# Altium PCB imu.PcbDoc
Units mm, origin at the board's own origin, x right, y up, seen from the top; angles counter-clockwise.
Board outline 32.81 x 20.3 mm, 4 copper layers (Top Layer, GND, VCC, Bottom Layer), stack 0.603 mm thick; 48 components, 28 nets, 156 pads, 80 vias.
Unrouted connection lines stored in the file: 1.
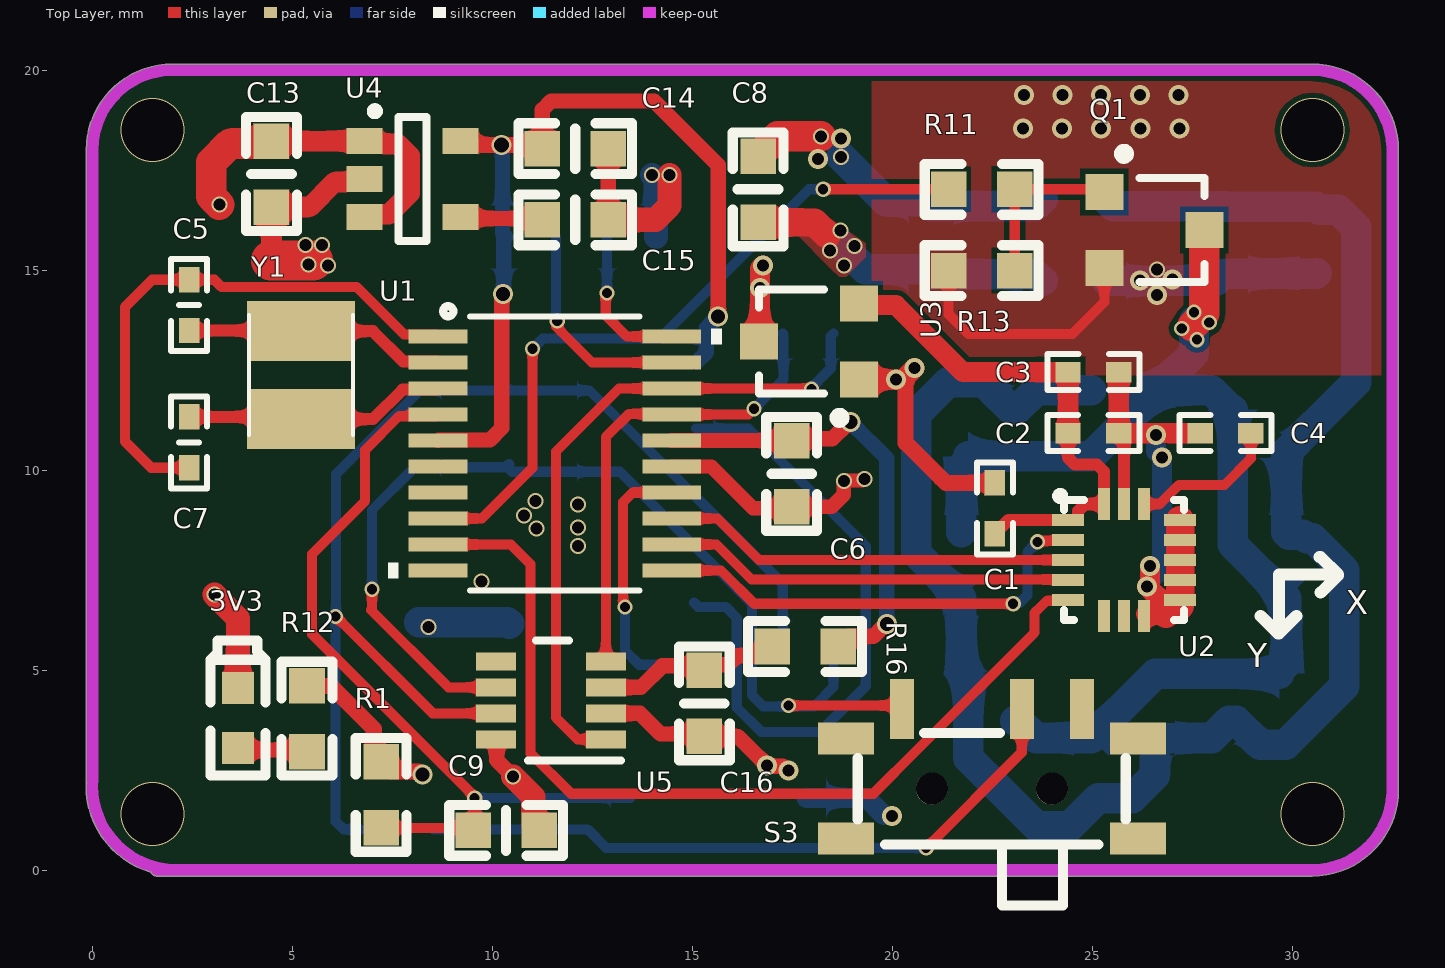
[diagram p0: Top Layer view]
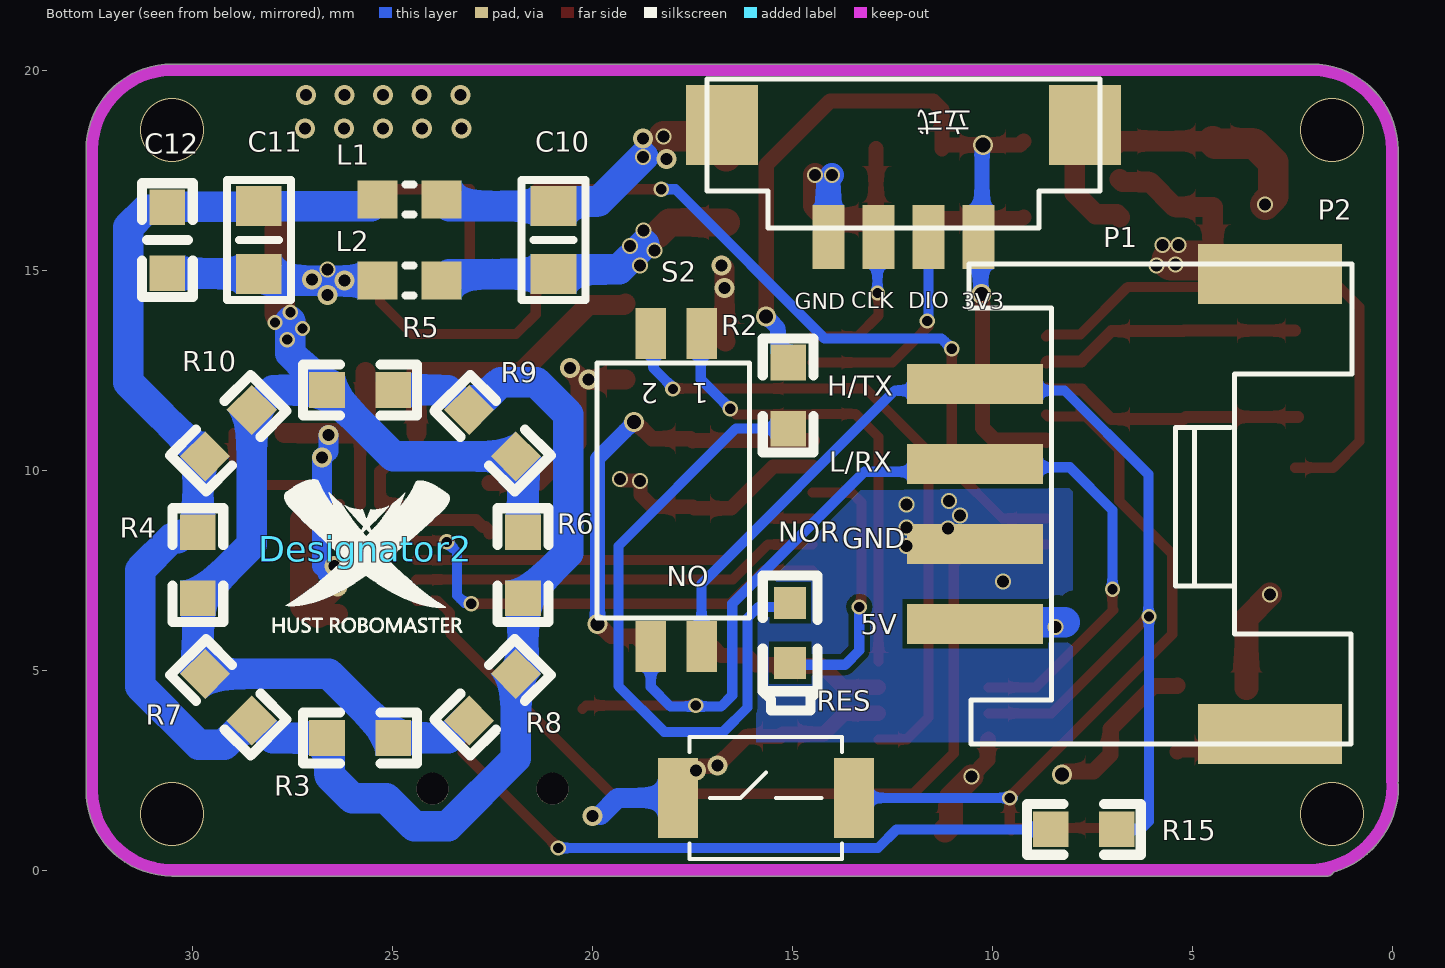
[diagram p1: Bottom Layer view, seen from below]
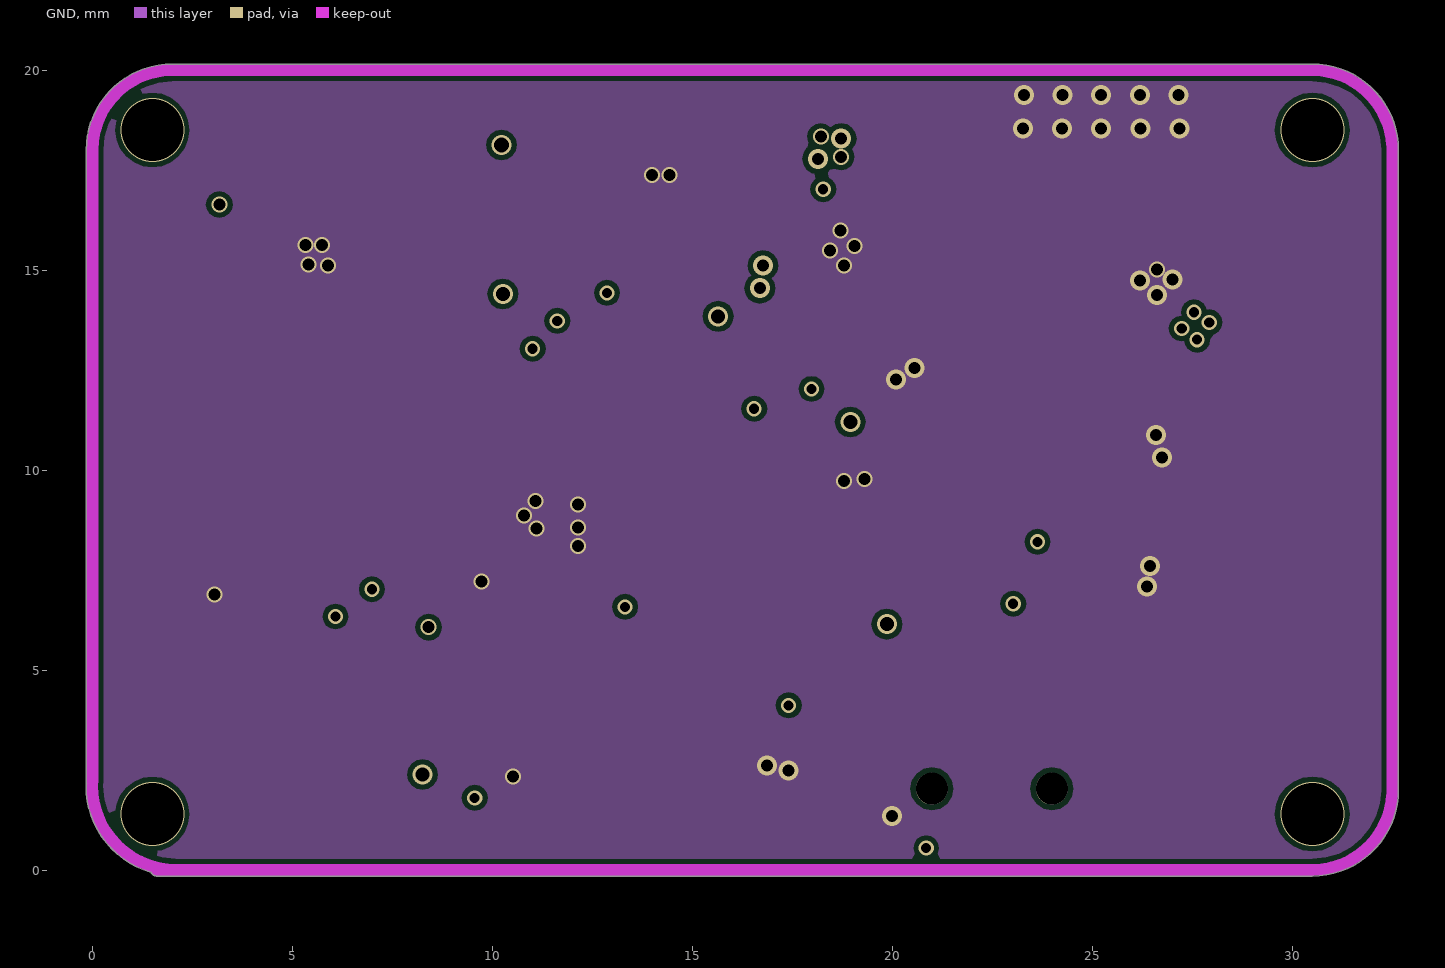
[diagram p2: GND]
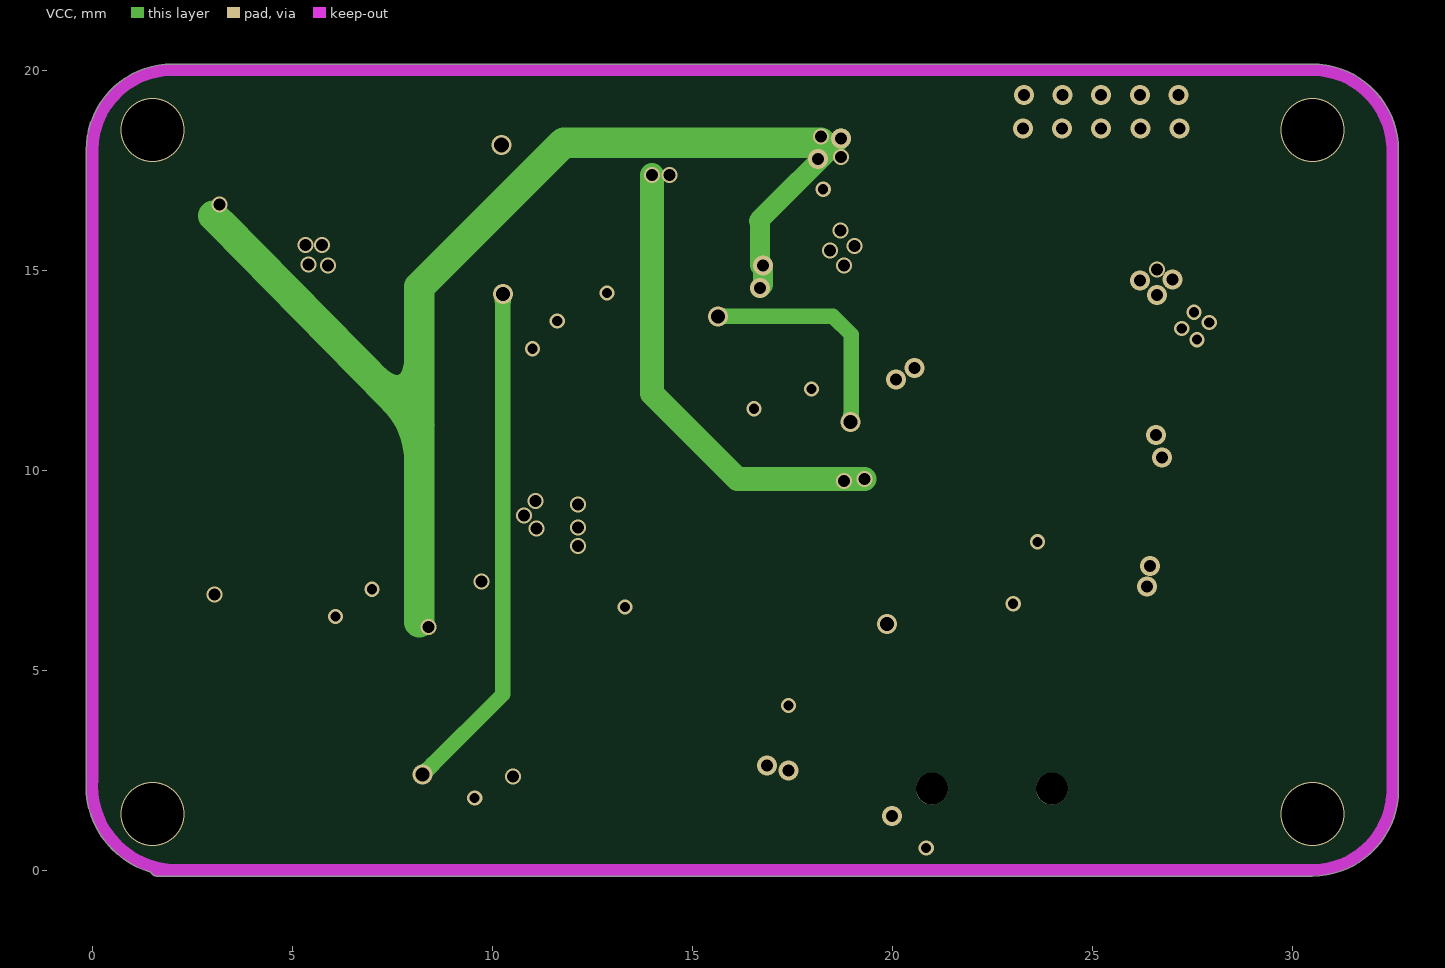
[diagram p3: VCC]
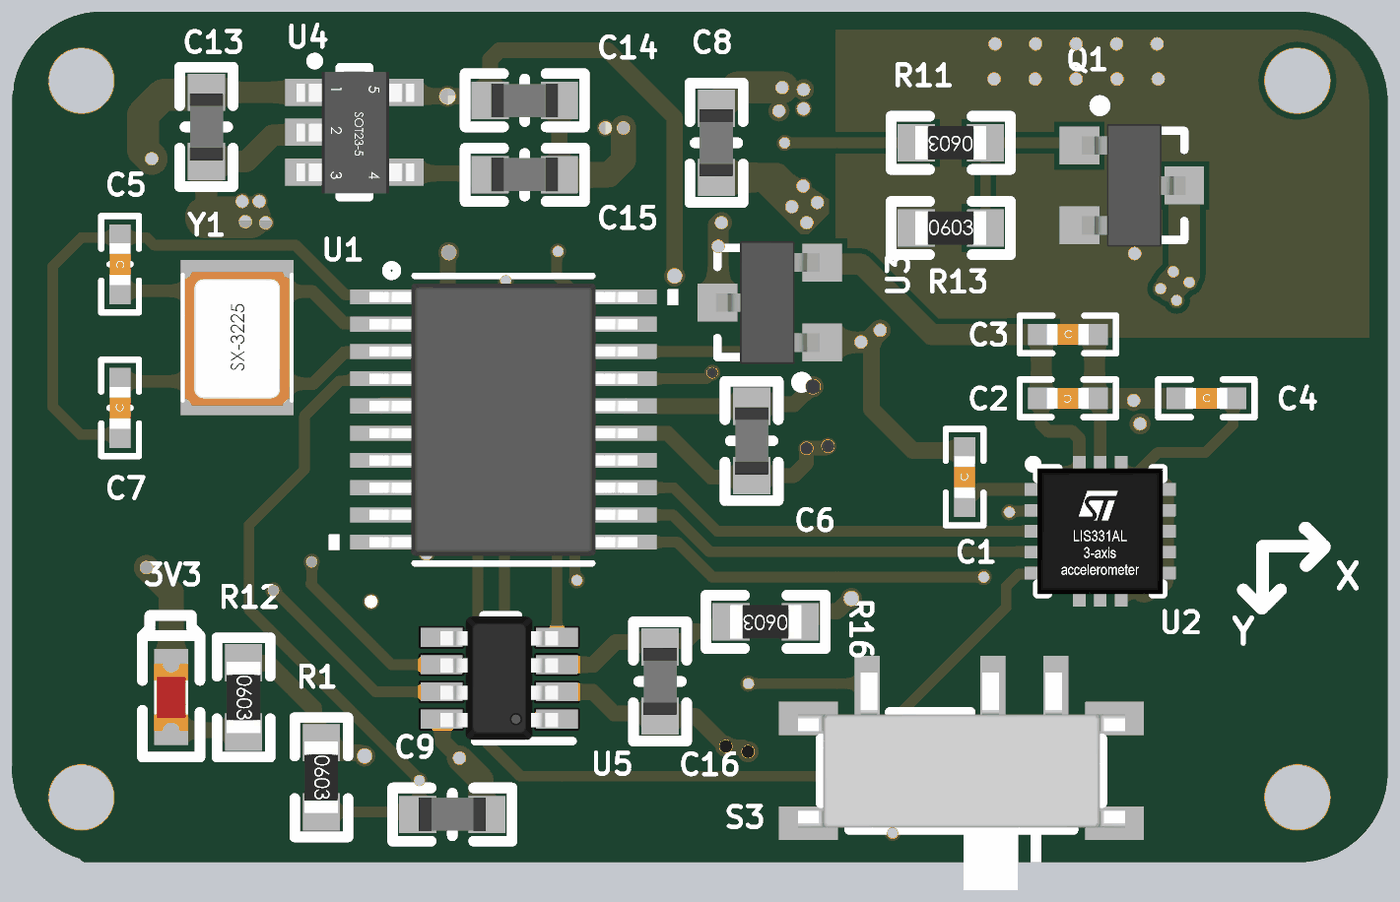
[diagram p4: 3D render of the assembled board from above, using the file's embedded part models]
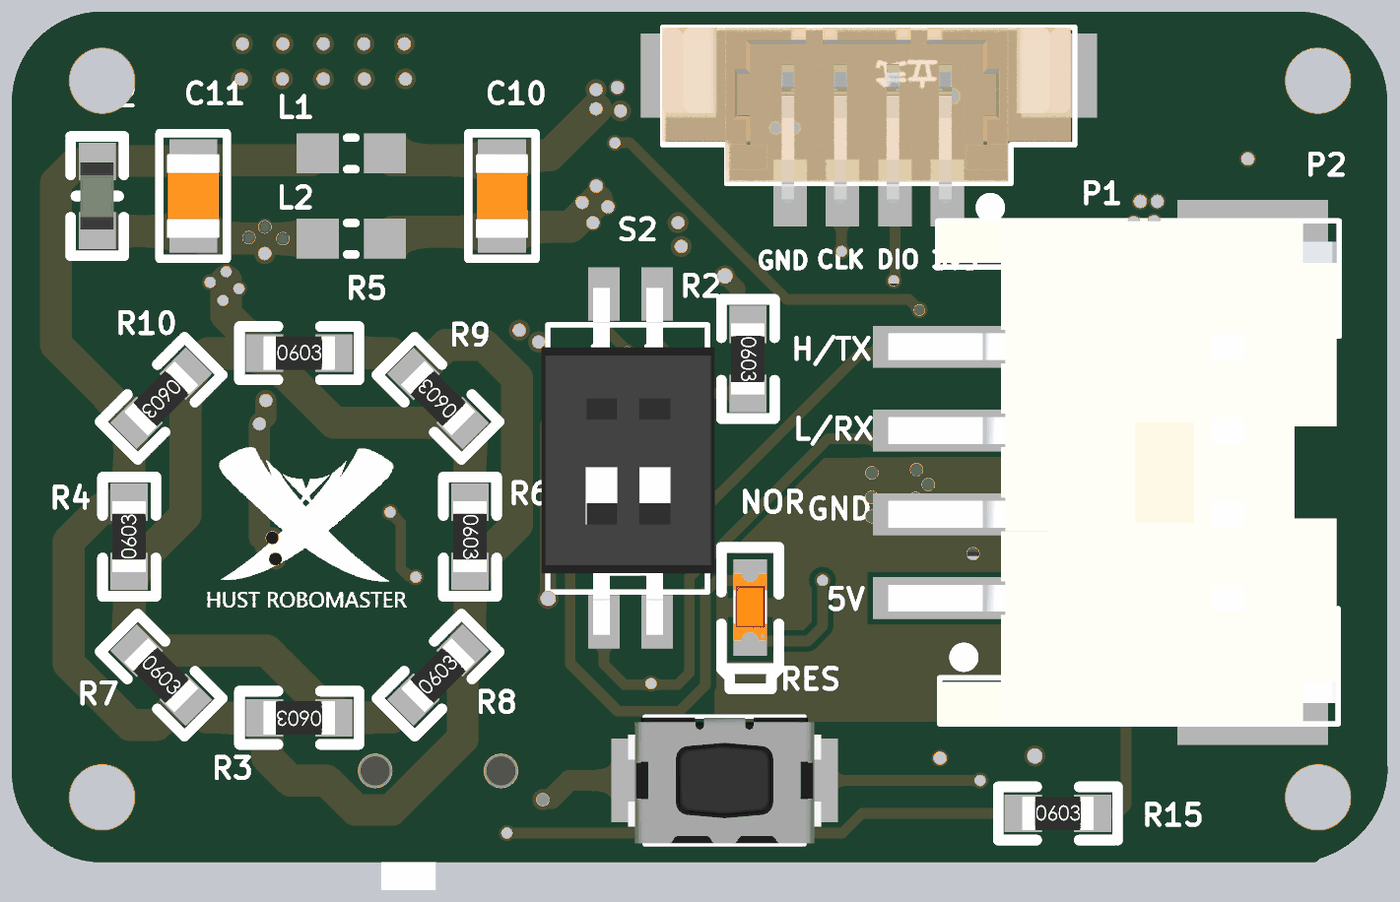
[diagram p5: 3D render of the assembled board from below, using the file's embedded part models]

## Layer stack, top to bottom
Top Solder: solder mask 0.0102, Solder Resist, Dk 3.5
Top Layer: signal copper 0.0356
Dielectric 2: prepreg 0.0711, PP-006, Dk 4.1
GND: signal copper 0.035
Dielectric 1: dielectric 0.32, FR-4, Dk 4.8
VCC: signal copper 0.035
Dielectric 3: prepreg 0.0711, PP-006, Dk 4.1
Bottom Layer: signal copper 0.0356
Bottom Solder: solder mask 0.0102, Solder Resist, Dk 3.5

## Board outline
-0.158,2.108 cw(c-0.008,2.108) -0.144,2.172 cw(c0,2.216) -0.15,2.216 -0.15,18 cw(c2,18) 2,20.15 cw(c2,20) 2.001,20.15 30.5,20.15 cw(c30.5,18) 32.65,18 32.65,2 cw(c30.5,2) 30.5,-0.15 1.608,-0.15 cw(c1.608,0) 1.47,-0.061 cw(c2.1,2.108)

## Design rules (kind name [scope] priority, off if disabled: settings)
Clearance [All] p1: gap=0.127 ignorepadtopadclearanceinfootprint=FALSE
PlaneClearance [All] p1: clearance=0.25
PlaneConnect [All] p1: planeconnectstyle=Direct reliefexpansion=0.508 reliefentries=4 reliefconductorwidth=0.254 reliefairgap=0.254
PolygonConnect [All] p1: connectstyle=Direct reliefconductorwidth=0.254 reliefentries=4 polygonreliefangle="90 Angle" airgapwidth=0.254
RoutingVias [All] p1: holewidth=0.711 width=1.27 viastyle="Through Hole" minholewidth=0.711 minwidth=1.27 maxholewidth=0.711 maxwidth=1.27
SolderMaskExpansion [All] p1: expansion=0.102
Width [All] p1: maxlimit=2.54 minlimit=0.025 preferedwidth=0.254
28 further rules are at their usual default settings.

## Components (designator, comment, footprint, x,y, rotation, side; value= is the part's Value field where it differs from the comment)
3V3 "LED_GREEN" 0603LED_R 3.64,3.048 r90 top (schematic designator LED2)
C1 "100NF" 0402 22.563,9.042 r90 top value=100pF
C2 "100NF" 0402 25.027,10.922 r180 top value=100pF
C3 "2.2UF" 0402 25.027,12.446 r0 top value=100pF
C4 "100NF" 0402 28.329,10.922 r0 top value=100pF
C5 "18pf" 0402C 2.421,14.122 r270 top value=100pF
C6 "100NF" 0603C 17.483,9.906 r90 top value=100pF
C7 "18pf" 0402C 2.421,10.693 r90 top value=100pF
C8 "2.2UF" 0603C 16.645,17.018 r270 top value=100pF
C9 "100NF" 0603C 10.346,0.991 r180 top value=100pF
C10 "22UF" 0805c 20.963,15.748 r270 bottom value=100pF
C11 "22UF" 0805c 28.329,15.748 r270 bottom value=100pF
C12 "100NF" 0603C 30.615,15.748 r270 bottom value=100pF
C13 "4.7UF" 0603C 4.478,17.399 r90 top value=100pF
C14 "4.7UF" 0603C 12.073,18.034 r0 top value=100pF
C15 "10NF" 0603C 12.073,16.256 r180 top value=100pF
C16 "100nf" 0603C 15.299,4.166 r90 top value=100pF
Designator2 "Comment" RM_logo 25.654,8.026 r180 bottom
L1 "0603" 0603 23.757,16.764 r0 bottom value=10mH
L2 "0603" 0603 25.357,14.732 r180 bottom value=10mH
NOR "LED_RED" 0603LED_R 15.045,6.68 r270 bottom (schematic designator LED1)
P1 "SWD" A1.25WF-4P 12.215,15.824 r0 bottom
P2 "CAN_4pin" "HY2.00MM 4X1 SMT" 9.556,9.154 r90 bottom
Q1 "NMOS" SOT-23-3 26.551,16.002 r270 top
R1 "10K" 0603R 7.222,1.88 r270 top value=1K
R2 "560" 0603R 15.096,11.862 r270 bottom value=1K
R3 "200" 0603R 25.8,3.3 r0 bottom value=1K
R4 "200" 0603R 29.853,7.62 r90 bottom value=1K
R5 "200" 0603R 25.8,12 r180 bottom value=1K
R6 "200" 0603R 21.725,7.62 r270 bottom value=1K
R7 "200" 0603R 29.091,4.318 r225 bottom value=1K
R8 "200" 0603R 22.487,4.318 r135 bottom value=1K
R9 "200" 0603R 22.487,10.922 r45 bottom value=1K
R10 "200" 0603R 29.091,10.922 r315 bottom value=1K
R11 "120" 0603R 22.233,17.018 r180 top value=1K
R12 "560" 0603R 5.367,3.785 r270 top value=1K
R13 "10K" 0603R 22.233,14.986 r0 top value=1K
R15 "120" 0603R 7.704,1.016 r180 bottom value=1K
R16 "0" 0603R 17.818,5.588 r180 top value=1K
RES "KEY" "SW 3mmx4mm" 15.654,1.803 r180 bottom (schematic designator S1)
S2 "SW_DIP2" SW_DIP_2x2 17.966,9.5 r0 bottom
S3 "SW_DIP1" MSK-12C01-07 22.487,2.032 r0 top
U1 "STM32F042FxP6" TSSOP20 11.565,10.414 r0 top value=Value
U2 "ICM20602" LGA-16 25.797,7.75 r0 top
U3 "LDO_SOT23-3" SOT-23-3 17.915,13.208 r90 top
U4 "LDO_SOT23-5" "SOT-23-5 L" 8.009,17.272 r0 top
U5 "CAN" SOT-23-8 11.463,4.242 r180 top
Y1 "8MHZ" NX3225GD 5.215,12.37 r90 top

## Footprints (in the part's own frame and the unit in brackets; to place one, negate y for a bottom-side part, rotate by r counter-clockwise, add the part's x,y. Pads: shape width x height; smd on the part's side, far side on the other; paste and mask are expansions set on the pad)
0402 [mil]
  rect 25x20 smd: 1(-25,0) 2(25,0)
  silkscreen extent -45,-18 45,18, body extent -20,-10 20,10, height 19
0402C [mil]
  rect 25x20 smd: 1(-25,0) 2(25,0)
  silkscreen extent -45,-18 45,18, body extent -20,-10 20,10, height 19
0603 [mm] "Chip Resistor, 2-Leads, Body 1.6x0.8mm, IPC Medium Density"
  rect 1x0.95 smd: 1(0,0) 2(1.6,0)
  silkscreen extent 0.7,-0.38 0.9,0.38, body extent -0.03,-0.43 1.63,0.43, height 0.88
0603C [mil] "Chip Resistor, 2-Leads, Body 1.6x0.8mm, IPC Medium Density"
  rect 35x35 smd: 1(-32.5,0) 2(32.5,0)
  silkscreen extent -56,-25 56,25, body extent -31,-16 31,15, height 18
0603LED_R [mm]
  rect 0.8x0.8 smd: 1(0,0) 2(1.5,0)
  silkscreen extent -0.69,-0.69 2.69,0.69, body extent -0.06,-0.4 1.54,0.4, height 0.6
0603R [mil] "10mil˿ӡ"
  rect 35x35 smd: 1(-32.5,0) 2(32.5,0)
  silkscreen extent -56,-25 56,25, body extent -33,-16 33,16, height 22
0805c [mm]
  rect 1x1.14 smd: 1(-0.85,0) 2(0.85,0)
  silkscreen extent -1.5,-0.8 1.5,0.8, body extent -1,-0.62 1,0.63, height 0.8
A1.25WF-4P [mm]
  rect 1.8x2 smd: 0(-4.54,-2.8) 0(4.54,-2.8)
  round 0.7 on Bottom Overlay: 0(-2.9,0.35)
  rect 0.8x1.6 smd: 1(-1.875,0) 2(-0.625,0) 3(0.625,0) 4(1.875,0)
  silkscreen extent -4.91,-3.95 4.91,-0.23, body extent -4.82,-3.95 4.93,0.26, height 4.97
"HY2.00MM 4X1 SMT" [mm]
  rect 1.5x3.6 smd: 0(-5.75,-6.5) 0(5.75,-6.5)
  round 0.7 on Bottom Overlay: 0(-4.41,0.391)
  rect 1x3.4 smd: 1(-3,0.865) 2(-1,0.865) 3(1,0.865) 4(3,0.865)
  silkscreen extent -6,-8.56 6,1.02, body extent -6,-8.5 6,2.19, height 5.1
LGA-16 [mm]
  rect 0.8x0.3 smd: 1(-1.4,1) 2(-1.4,0.5) 3(-1.4,0) 4(-1.4,-0.5) 5(-1.4,-1) 9(1.4,-1) 10(1.4,-0.5) 11(1.4,0) 12(1.4,0.5) 13(1.4,1)
  rect 0.3x0.8 smd: 6(-0.5,-1.4) 7(0,-1.4) 8(0.5,-1.4) 14(0.5,1.4) 15(0,1.4) 16(-0.5,1.4)
  silkscreen extent -1.7,-1.5 1.5,1.7, body extent -1.5,-1.5 1.5,1.5, height 1.01
MSK-12C01-07 [mm] "6.7*2.8*1.5mm(长宽高）拨动开关"
  rect 1.4x0.8 smd: 0(-3.65,-1.25) 0(-3.65,1.25) 0(3.65,-1.25) 0(3.65,1.25)
  rect 0.6x1.5 smd: 1(-2.25,1.996) 2(0.75,1.996) 3(2.25,1.996)
  round 0.8 hole 0.8: " "(-1.5,0) " "(1.5,0)
  silkscreen extent -3.35,-2.92 3.35,1.4, body extent -3.9,-2.85 3.9,2.35, height 1.4
NX3225GD [mm]
  rect 1.5x2.7 smd: 1(-1.1,0) 2(1.1,0)
  silkscreen extent -1.5,-1.3 1.5,1.3, body extent -1.63,-1.25 1.57,1.25, height 0.81
RM_logo [mm]
  silkscreen extent -2.32,-2.1 2.41,1.73
SOT-23-3 [mm]
  rect 0.9x0.95 smd: 1(-0.95,-1.25) 2(0.95,-1.25) 3(0,1.25)
  silkscreen extent -2.03,-0.89 1.3,1.25, body extent -1.46,-1.19 1.46,1.28, height 1
"SOT-23-5 L" [mm]
  rect 0.9x0.65 smd: 1(-1.2,0.95) 2(-1.2,0) 3(-1.2,-0.95) 4(1.2,-0.95) 5(1.2,0.95)
  silkscreen extent -1.05,-1.55 0.35,1.8, body extent -1.37,-1.46 1.43,1.44, height 1.09
SOT-23-8 [mm]
  rect 1x0.45 smd paste+0 mask+0.051: 1(-1.375,0.975) 2(-1.375,0.325) 3(-1.375,-0.325) 4(-1.375,-0.975) 5(1.375,-0.975) 6(1.375,-0.325) 7(1.375,0.325) 8(1.375,0.975)
  silkscreen extent -1.75,-1.5 0.58,1.5, body extent -1.4,-1.47 1.4,1.47, height 1.2
"SW 3mmx4mm" [mm] "小龟按键"
  rect 1x2 smd: 1(-2.2,0) 2(2.2,0)
  silkscreen extent -1.91,-1.52 1.91,1.52, body extent -2.3,-1.5 2.3,1.5, height 2.1
SW_DIP_2x2 [mm]
  rect 0.76x1.27 smd: 1(-0.705,-3.912) 2(0.565,-3.912) 3(0.565,3.912) 4(-0.705,3.912)
  silkscreen extent -1.91,-3.17 1.91,3.2, body extent -2.08,-4.06 2.06,4.23, height 2.4
TSSOP20 [mil]
  rect 58x14 smd: 1(-115,115.16) 2(-115,89.57) 3(-115,63.98) 4(-115,38.39) 5(-115,12.8) 6(-115,-12.8) 7(-115,-38.39) 8(-115,-63.98) 9(-115,-89.57) 10(-115,-115.16) 11(115,-115.16) 12(115,-89.57) 13(115,-63.98) 14(115,-38.39) 15(115,-12.8) 16(115,12.8) 17(115,38.39) 18(115,63.98) 19(115,89.57) 20(115,115.16)
  silkscreen extent -164,-135 164,145, body extent -126,-128 126,128, height 44

## Part data
3V3 NOR: library part LED, "Typical RED, GREEN, YELLOW, AMBER GaAs LED", LatestRevisionDate=17-Jul-2002, LatestRevisionNote="Re-released for DXP Platform.", PackageDescription="SM LED; 2 Flat Leads", PackageReference=3.2X1.6X1.1, PackageVersion=Feb-2002, Published=8-Jun-2000, Publisher="Altium Limited"
C1 C2 C3 C4 C5 C6 C7 C8 C9 C10 C11 C12 C13 C14 C15 C16: library part Cap, "Capacitor", LatestRevisionDate=17-Jul-2002, LatestRevisionNote="Re-released for DXP Platform.", PackageDescription="Radial Cap, Thru-Hole; 2 Leads; 0.3 in Pin Spacing", PackageReference=RAD-0.3, Published=8-Jun-2000, Publisher="Altium Limited"
L1 L2: library part Inductor, "Inductor", Code_IEC=1005, Code_JEITA=0402, LatestRevisionDate=29-May-2009, LatestRevisionNote="IPC-7351 Footprint Added.", PackageDescription="Chip Inductor", PackageReference=0402-A, Published=8-Jun-2000, Publisher="Altium Limited"
P1: library part SWD_HEADER
P2: "CAN 4pin，带5V电源，HY2.0-4A"
Q1: library part NMOS(SOT23), "N-Channel Power MOSFET", ComponentLink1Description="Manufacturer Link", ComponentLink1URL=http://www.irf.com/, DatasheetVersion=PD-9.814, LatestRevisionDate=17-Jul-2002, LatestRevisionNote="Re-released for DXP Platform.", Note="Pin 2 is electrically connected to pin 4.", PackageDescription="TO, Thru-Hole, Vertical, Heatsink Mounted; 3 In-Line Leads; Pitch 2.54 mm", PackageReference=TO-220AB, PackageVersion=Feb-1997, Published=8-Jun-2000, Publisher="Altium Limited"
R1 R2 R3 R4 R5 R6 R7 R8 R9 R10 R11 R12 R13 R15 R16: library part Res1, "Resistor", LatestRevisionDate=17-Jul-2002, LatestRevisionNote="Re-released for DXP Platform.", PackageDescription="Axial Device, Thru-Hole; 2 Leads; 0.3 in Pin Spacing", PackageReference=AXIAL-0.3, Published=8-Jun-2000, Publisher="Altium Limited"
RES: library part PushButton_2p, "Button", LatestRevisionDate=17-Jul-2002, LatestRevisionNote="Re-released for DXP Platform.", PackageDescription="Switch; 2 Leads", PackageReference=SPST-2, Published=24-Mar-1999, Publisher="Altium Limited"
S2: library part "SW_DIP 2"
S3: library part "SW_DIP 1"
U1: "Imported", Manufacturer_Part_Number=stm32f042gxu, Built_By=EMA_UL_Team, C="Copyright (C) 2016 Accelerated Designs. All rights reserved", RefDes=RefDes, TYPE=Type, Vendor=STMicroelectronics
Y1: library part XTAL, "Crystal Oscillator", LatestRevisionDate=17-Jul-2002, LatestRevisionNote="Re-released for DXP Platform.", PackageDescription="Crystal, Thru-Hole; 2 Leads; Body 3.1 x 8.2 mm (Dia.xH)", PackageReference=R38, Published=8-Jun-2000, Publisher="Altium Limited"

## Via types
v1: diameter 0.5, hole 0.3, Top Layer to Bottom Layer, tented both sides, 26 vias
v2: diameter 0.4, hole 0.3, Top Layer to Bottom Layer, tented both sides, 26 vias
v3: diameter 0.381, hole 0.254, Top Layer to Bottom Layer, tented both sides, 18 vias
v4: diameter 0.5, hole 0.35, Top Layer to Bottom Layer, tented both sides, 5 vias
v5: diameter 1.6, hole 1.55, Top Layer to Bottom Layer, tented both sides, 4 vias
v6: diameter 0.5, hole 0.38, Top Layer to Bottom Layer, tented both sides, 1 vias

## Nets (pads, with @x,y where several pads share a name; then routed paths per layer and width w, separated by ;. In a path a pad name is that pad's centre, name@x,y a point inside that pad or via, vN(x,y) a via of type N, cw(c..) or ccw(c..) an arc to the next point about the centre after c; other vN are vias at no path point)
3V3: C6.2 C14.1 P1.1 R1.1 R2.1 R12.1 R16.1 U1.5 U1.16 U4.5 | length 56.4
  Top Layer w0.381: U1.5 8.657,10.752 9.939,10.752 10.236,11.049 10.236,14.376 v4(10.262,14.402) ; U4.5 9.303,18.128 v6(10.228,18.128) 11.154,18.128 C14.1 11.248,19.005 11.471,19.228 14.046,19.228 15.646,17.628 v4(15.646,13.843) ; U1.16 14.49,10.735 17.479,10.735 C6.2 17.536,10.784 18.499,10.784 18.916,11.201 v4(18.948,11.201) ; R16.1 18.898,5.842 19.526,5.842 19.831,6.147 v4(19.863,6.147)
  Top Layer w0.4: R12.1 5.38,4.597 5.969,4.597 7.036,3.531 7.036,2.891 R1.1 7.466,2.461 8.155,2.461 8.228,2.388 v4(8.255,2.388)
  VCC w0.381: v4@8.407,2.54 10.262,4.394 v4(10.262,14.402) ; v4(15.646,13.843) 18.517,13.843 18.974,13.386 18.974,11.227 v4(18.948,11.201)
  Bottom Layer w0.381: v6(10.228,18.128) 10.251,18.105 10.251,15.914 P1.1 10.284,15.768 10.284,14.425 v4(10.262,14.402) ; R2.1 15.35,12.941 15.35,13.546 v4(15.646,13.843) ; v4(18.948,11.201) 19.863,10.287 v4(19.863,6.147)
3V3_IMU: C1.1 C2.2 C3.1 U2.1 U2.16 U3.2 | length 13.1
  Top Layer w0.3: C1.1 22.563,8.471 22.667,8.575 22.731,8.575 22.906,8.75 U2.1 24.647,8.75 24.647,8.974 24.823,9.15 U2.16 25.297,9.959 25.121,10.135 24.568,10.135 24.392,10.31 C2.2
  Top Layer w0.5: U3.2 19.201,14.122 20.091,14.122 21.768,12.446 C3.1 C2.2
5V: C8.1 C10.1 C13.2 L1.1 P2.1 U3.3 U4.1 U4.3 | length 52.3
  Top Layer w0.5: U3.3 16.662,13.211 16.688,13.236 v1(16.688,14.546) 16.688,15.037 v1(16.764,15.113)
  Top Layer w0.508: C13.2 C13.2 6.808,18.223 U4.1 6.88,18.151 7.635,18.151 7.933,17.853 7.933,16.916 7.409,16.393 6.88,16.393 U4.3
  Top Layer w0.762: v2(3.175,16.637) 2.972,16.84 2.972,17.689 3.444,18.161 4.415,18.161 C13.2 ; C8.1 17.14,18.339 v2(18.212,18.339)
  VCC w0.5: v1(16.688,14.546) 16.764,14.622 v1(16.764,15.113) ; v1@16.688,15.113 16.688,16.205 16.662,16.231 v1(18.72,18.288)
  VCC w0.762: 3.023,16.358 3.2,16.18 8.179,11.125 ; 8.179,6.198 8.179,11.125 ; v2@18.212,18.182 11.781,18.182 8.179,14.58 8.179,11.125
  Bottom Layer w0.762: 8.179,6.198 10.377,6.198 P2.1 ; v2(18.72,17.831) 19.834,16.717 20.844,16.717 C10.1 23.566,16.598 23.732,16.764 L1.1
  other v1: 18.136,17.78
  other v2: 8.407,6.071
CAN1_H/USART1_TX: P2.4 R15.2 S2.4 U5.7 | length 30.2
  Top Layer w0.254: v3(6.079,6.337) 6.091,6.337 8.512,3.917 U5.7
  Bottom Layer w0.254: R15.2 6.282,1.016 6.079,1.219 v3(6.079,6.337) 6.091,6.35 6.091,9.893 8.187,11.989 10.428,11.989 10.446,12.007 10.465,11.989 12.429,11.989 17.261,7.157 S2.4
CAN1_L/USART1_RX: P2.3 S2.3 S3.1 U5.6 | length 26.2
  Top Layer w0.254: v3@7.016,6.874 6.992,6.85 6.992,6.527 6.968,6.502 8.903,4.567 U5.6 ; v3(17.407,4.115) 20.15,4.115 S3.1
  Bottom Layer w0.254: v3(6.991,7.02) 6.991,9.001 8.057,10.068 10.335,10.068 P2.3 ; P2.3@10.446,10.007 10.497,9.957 13.191,9.957 16.493,6.655 16.493,4.369 16.772,4.089 18.042,4.089 18.531,4.578 S2.3
GND: 3V3.2 C1.2 C2.1 C3.2 C4.1 C5.1 C6.1 C7.1 C8.2 C9.1 C10.2 C11.2 C12.2 C13.1 C14.2 C15.1 C16.1 L2.1 L2.2 P1.4 P2.2 Q1.2 R13.1 RES.1 U1.1 U1.15 U2.8 U2.9 U2.10 U2.11 U2.12 U2.13 U2.15 U3.1 U4.2 U5.2 U5.8 | length 93
  Top Layer w0.254: C7.1 1.473,10.058 0.813,10.719 0.813,14.072 1.499,14.757 C5.1 3.048,14.757 3.226,14.58 6.604,14.58 7.794,13.39 8.593,13.39 U1.1 ; R13.1 21.408,13.893 21.9,13.4 24.5,13.4 25.3,14.2 25.3,15.051 Q1.2
  Top Layer w0.3: C2.1 25.693,10.922 25.797,10.818 U2.15
  Top Layer w0.356: U1.15 15.471,10.089 16.518,9.042 C6.1@17.445,9.042 ; C6.1 18.486,9.08 18.788,9.382 18.788,9.72 v2(18.796,9.728) 18.804,9.737 19.25,9.737 19.292,9.779 v2(19.304,9.779)
  Top Layer w0.381: U5.8 10.109,3.246 10.109,2.748 10.516,2.342 v2(10.516,2.337) ; U5.2 13.693,3.917 14.207,3.404 15.235,3.404 C16.1 16.142,3.34 v1(16.866,2.616) 16.888,2.593 17.263,2.593 17.367,2.489 v1(17.399,2.489) ; C15.1 C14.2
  Top Layer w0.4: v1@20.335,12.258 20.335,10.678 21.21,9.804 21.336,9.677 C1.2
  Top Layer w0.5: U3.1 v1@20.335,12.258 ; v1(20.091,12.268) 20.269,12.268 v1(20.549,12.548) ; C2.1 C3.2 ; C2.1@25.693,10.922 C4.1 ; U2.8@26.347,6.4 26.847,6.4 26.847,6.605 v1(26.365,7.087) 26.441,7.163 v1(26.441,7.595)
  Top Layer w0.508: 4.47,15.24 4.478,15.248 C13.1 5.431,16.573 6.058,17.201 6.738,17.201 U4.2
  Top Layer w0.6: v2(3.048,6.883) 3.64,6.291 3V3.2 ; v2(10.516,2.337) 11.027,1.826 11.027,1.135 C9.1 ; C15.1 14.076,16.256 14.427,16.607 v2(14.427,17.374)
  Top Layer w0.7: C8.2 18.059,16.192 18.364,15.888 ; 26.847,6.4 26.997,6.55 27.147,6.55 27.197,6.6 U2.9 U2.10 U2.11 U2.12 U2.13
  Top Layer w1: 4.47,15.24 v2@5.512,15.24
  VCC w0.6: v2(13.995,17.374) 13.995,11.913 16.129,9.779 v2(19.304,9.779)
  Bottom Layer w0.5: RES.1 19.355,1.803 v1@19.787,1.372 ; v1@26.492,7.29 26.619,7.417 ; v1(26.594,10.871) 26.594,10.465 v1(26.746,10.312) 26.746,7.595
  Bottom Layer w0.6: v2(13.995,17.374) 14.09,17.279 P1.4
  Bottom Layer w0.762: 18.694,15.646 19.324,15.017 20.844,15.017 C10.2 23.566,14.898 23.732,14.732 L2.2 ; L2.1 28.093,14.732 28.259,14.898 C11.2 28.341,14.91 30.603,14.91 C12.2
  other v1: 19.99,1.346 26.619,14.376 26.187,14.732 27,14.757 23.266,18.542 24.244,18.542 25.222,18.542 26.2,18.542 27.178,18.542 23.292,19.38 24.257,19.38 25.222,19.38 26.187,19.38 27.153,19.38
  other v2: 9.728,7.214 12.141,8.103 11.1,8.534 12.141,8.56 10.795,8.865 12.141,9.144 11.074,9.22 26.619,15.011 5.893,15.113 18.796,15.113 5.41,15.138 18.44,15.494 19.05,15.596 5.334,15.621 5.74,15.621 18.71,15.986
HEATE_POWER: C11.1 C12.1 L1.2 R3.2 R4.2 R5.2 R6.2 R7.2 R8.2 R9.2 R10.2 | length 46.5
  Bottom Layer w0.762: R5.2 23.607,12 23.113,11.506 R9.2 22.981,11.506 22.287,12.2 21.4,12.2 20.6,11.4 20.6,7.919 R6.2 21.725,5.17 21.903,4.992 R8.2 21.903,2.797 23.6,1.1 24.45,1.1 25.15,1.8 26,1.8 26.562,2.362 26.562,3.237 R3.2 27.983,3.3 28.417,3.734 R7.2 28.597,3.734 29.2,3.131 29.831,3.131 31.3,4.6 31.3,7.5 30.507,8.293 30.356,8.293 30.267,8.382 29.917,8.382 R4.2 29.853,10.453 31.6,12.2 31.6,16.064 31.154,16.51 30.679,16.51 C12.1 30.603,16.586 28.341,16.586 C11.1 25.523,16.598 L1.2
NetC4_2: C4.2 U2.14 | length 3.8
  Top Layer w0.254: U2.14 26.688,9.15 27.164,9.627 28.304,9.627 28.964,10.287 C4.2
NetC5_2: C5.2 U1.2 Y1.2 | length 6.6
  Top Layer w0.3: C5.2 5.197,13.487 Y1.2 7.015,13.47 7.768,12.717 8.616,12.717 U1.2
NetC7_2: C7.2 U1.3 Y1.1 | length 6.6
  Top Layer w0.3: C7.2@2.345,11.328 5.156,11.328 Y1.1 7.015,11.27 7.756,12.011 8.616,12.011 U1.3
NetC9_2: C9.2 R1.2 RES.2 U1.4 | length 20.2
  Top Layer w0.254: R1.2 9.457,1.054 C9.2 9.558,1.029 v3(9.558,1.803) 9.558,1.829 5.494,5.893 5.494,7.899 6.819,9.224 6.819,10.502 7.655,11.338 8.593,11.338 U1.4
  Bottom Layer w0.254: v3@9.482,1.803 v3(9.558,1.803) RES.2
NetC15_2: C15.2 U4.4 | length 2.1
  Top Layer w0.381: U4.4 9.242,16.289 11.215,16.289 C15.2
NetC16_2: C16.2 R16.2 U5.3 | length 4.7
  Top Layer w0.381: U5.3 13.711,4.567 14.249,5.105 15.185,5.105 C16.2 15.439,5.131 15.906,5.131 16.129,5.354 16.129,5.365 16.769,5.365 R16.2
NetLED1_1: NOR.1 R2.2 | length 16.4
  Bottom Layer w0.254: NOR.1 15.146,6.579 15.832,6.579 16.112,6.299 16.112,4.064 16.721,3.454 18.194,3.454 19.337,4.597 19.337,8.103 16.404,11.036 R2.2
NetLED2_1: 3V3.1 R12.2 | length 1.8
  Top Layer w0.381: 3V3.1 3.685,3.004 5.323,3.004 R12.2
NetQ1_1: Q1.1 R11.1 R13.2 | length 4.3
  Top Layer w0.254: R13.2 R11.1 25.235,17.018 Q1.1
NetQ1_3: Q1.3 R3.1 R4.1 R5.1 R6.1 R7.1 R8.1 R9.1 R10.1 | length 28.8
  Top Layer w0.762: 27.5,13.6 27.801,13.901 Q1.3
  Bottom Layer w0.762: R6.1 21.725,10.07 21.903,10.248 R9.1 24.964,10.338 R5.1 ; R8.1 23.161,3.734 23.595,3.3 R3.1 26.576,4.902 R7.1 29.675,4.992 29.853,5.17 R4.1 28.507,8.14 R10.1 28.465,11.506 27.971,12 R5.1 ; 27.542,13.716 27.542,12.916 R5.1
  other v3: 27.618,13.259 27.237,13.538 27.923,13.691 27.542,13.945
NetR15_1: R15.1 S3.2 | length 17
  Top Layer w0.254: v3(20.845,0.549) 23.237,2.941 S3.2
  Bottom Layer w0.254: R15.1 12.383,1.016 12.849,0.549 v3(20.845,0.549)
PA2/HEATER: R11.2 U1.8 | length 17.9
  Top Layer w0.254: U1.8 9.738,8.789 11.006,10.057 v3(11.006,13.03) ; v3(18.271,17.018) R11.2
  Bottom Layer w0.254: v3(11.006,13.03) 11.26,13.284 14.181,13.284 17.915,17.018 v3(18.271,17.018)
PA3/CS_ICM: U1.9 U2.5 | length 23.4
  Top Layer w0.254: U1.9 10.462,8.139 10.955,7.645 10.955,2.921 11.971,1.905 19.523,1.905 20.642,3.024 23.554,5.936 23.554,6.428 23.703,6.577 23.704,6.577 23.855,6.727 24.374,6.727 U2.5
PA5/SCLK: U1.11 U2.2 | length 11.6
  Top Layer w0.254: U1.11 15.715,7.489 16.549,6.655 v3(23.02,6.655) ; v3(23.63,8.204) 23.653,8.227 24.374,8.227 U2.2
  Bottom Layer w0.254: v3(23.02,6.655) 23.045,6.679 23.188,6.679 23.376,6.867 23.376,7.95 v3(23.63,8.204)
PA6/MISO: U1.12 U2.4 | length 10.3
  Top Layer w0.254: U1.12 15.604,8.139 16.478,7.264 24.383,7.264 U2.4
PA7/MOSI: U1.13 U2.3 | length 10.3
  Top Layer w0.254: U1.13 15.628,8.789 16.667,7.75 U2.3
PA9/CAN_RX/USART1_TX: S2.1 U1.17 U5.4 | length 11.8
  Top Layer w0.254: U5.4 12.838,10.824 13.419,11.405 14.47,11.405 U1.17 16.401,11.389 v3(16.543,11.532)
  Bottom Layer w0.254: v3(16.543,11.532) 17.28,12.268 17.28,13.392 S2.1
PA10/CAN_TX/USART1_RX: S2.2 U1.18 U5.1 | length 16.8
  Top Layer w0.254: U5.1 12.134,3.267 11.59,3.81 11.59,10.465 13.165,12.039 U1.18 17.966,12.039 v3@17.991,12.014
  Bottom Layer w0.254: v3(17.979,12.027) 17.979,12.061 18.462,12.544 18.462,13.342 S2.2
PA13/SWDIO: P1.2 U1.19 | length 5.4
  Top Layer w0.254: v3@11.59,13.589 12.49,12.689 U1.19
  Bottom Layer w0.254: P1.2 11.59,13.794 11.621,13.763 v3(11.621,13.729)
PA14/SWCLK: P1.3 U1.20 | length 3.7
  Top Layer w0.254: v3@12.835,14.3 12.835,13.868 13.364,13.339 U1.20
  Bottom Layer w0.254: P1.3 12.866,15.799 v3(12.866,14.427)
PB1/LED: NOR.2 U1.14 | length 6.9
  Top Layer w0.254: v3@13.292,6.579 13.267,6.604 13.267,9.195 13.511,9.439 U1.14
  Bottom Layer w0.254: v3(13.318,6.579) 13.318,5.486 13.673,5.131 14.995,5.131 NOR.2
pads on no net: "S3. " P1.0 P2.0 S3.0 S3.3 U1.6 U1.7 U1.10 U2.6 U2.7 U5.5
copper on no net:
  other v5: 1.5,1.4 30.5,1.4 1.5,18.5 30.5,18.5

## Polygon pours and split planes (outlines as drawn)
GND on GND "GND_L02_P002" (solid, remove dead copper, pour order 2): -0.584,21.133 -0.584,21.057 -0.635,-1.321 30.5,-1.321 33.833,-1.321 33.833,21.133
no net on GND "NONET_L02_P000" (solid, remove dead copper, pour order 0): 9.601,9.296
GND on Top Layer "GND_L01_P003" (solid, remove dead copper, pour order 3): 19.482,21.031 19.482,12.37 34.188,12.37 34.188,20.93
GND on Top Layer "GND_L01_P007" (solid, remove dead copper, pour order 7): 18.151,16.5 19.329,15.672 19.329,15.316 18.847,14.834 18.669,14.834 18.491,15.011 17.463,16.04
no net on Top Layer "NONET_L01_P006" (solid, remove dead copper, pour order 6): 3.912,15.443
GND on Bottom Layer "GND_L04_P005" (solid, remove dead copper, pour order 5): 7.976,9.55 7.976,3.226 8.001,3.2 15.9,3.2 15.9,6.934 13.335,9.5 13.106,9.5
no net on Bottom Layer "NONET_L04_P004" (solid, remove dead copper, pour order 4): 7.772,13.564

## Keep-outs
Keep-Out Layer:
  lines w0.3: -0.008,2.108 ccw(c2.1,2.108) 2.1,0 ; 0,2.216 0,18 cw(c2,18) 2,20 30.5,20 cw(c30.5,18) 32.5,18 32.5,2 cw(c30.5,2) 30.5,0 1.608,0

## Silkscreen, mask and mechanical layers (free items; w line width, h text height)
Top Overlay:
  lines w0.3: 29.21,6.35 29.642,5.918 ; 30.099,6.35 29.667,5.918 29.667,7.391 31.14,7.391 ; 30.709,6.934 31.14,7.366 31.14,7.391 ; 30.709,7.823 30.683,7.823 30.709,7.823 ; 30.709,7.823 31.14,7.391
  text "X" at 31.337,6.394 h0.6
  text "Y" at 28.873,5.073 h0.6
Bottom Overlay:
  text "DIO" at 12.092,14.045 h0.4
  text "CLK" at 13.514,14.045 h0.4
  text "3V3" at 10.771,14.019 h0.4
  text "GND" at 14.937,14.019 h0.4
  text "H/TX" at 14.124,11.86 h0.5
  text "L/RX" at 14.073,9.955 h0.5
  text "GND" at 13.743,8.05 h0.5
  text "5V" at 13.286,5.891 h0.5

## Text inside footprints (layer, text, board x,y; h text height)
P1: Bottom Overlay "立式" at 10.515,18.949 h0.5 r180
S2: Bottom Overlay "ON" at 17.077,7.595 h0.5 r180; Bottom Overlay "2" at 18.347,12.167 h0.5 r180; Bottom Overlay "1" at 17.077,12.167 h0.5 r180